# Allegro board RK3588_Template_LP4XD200P232SD10_32R6X52R0_2133MHz_H0R80_V10_20230220.brd (continued)
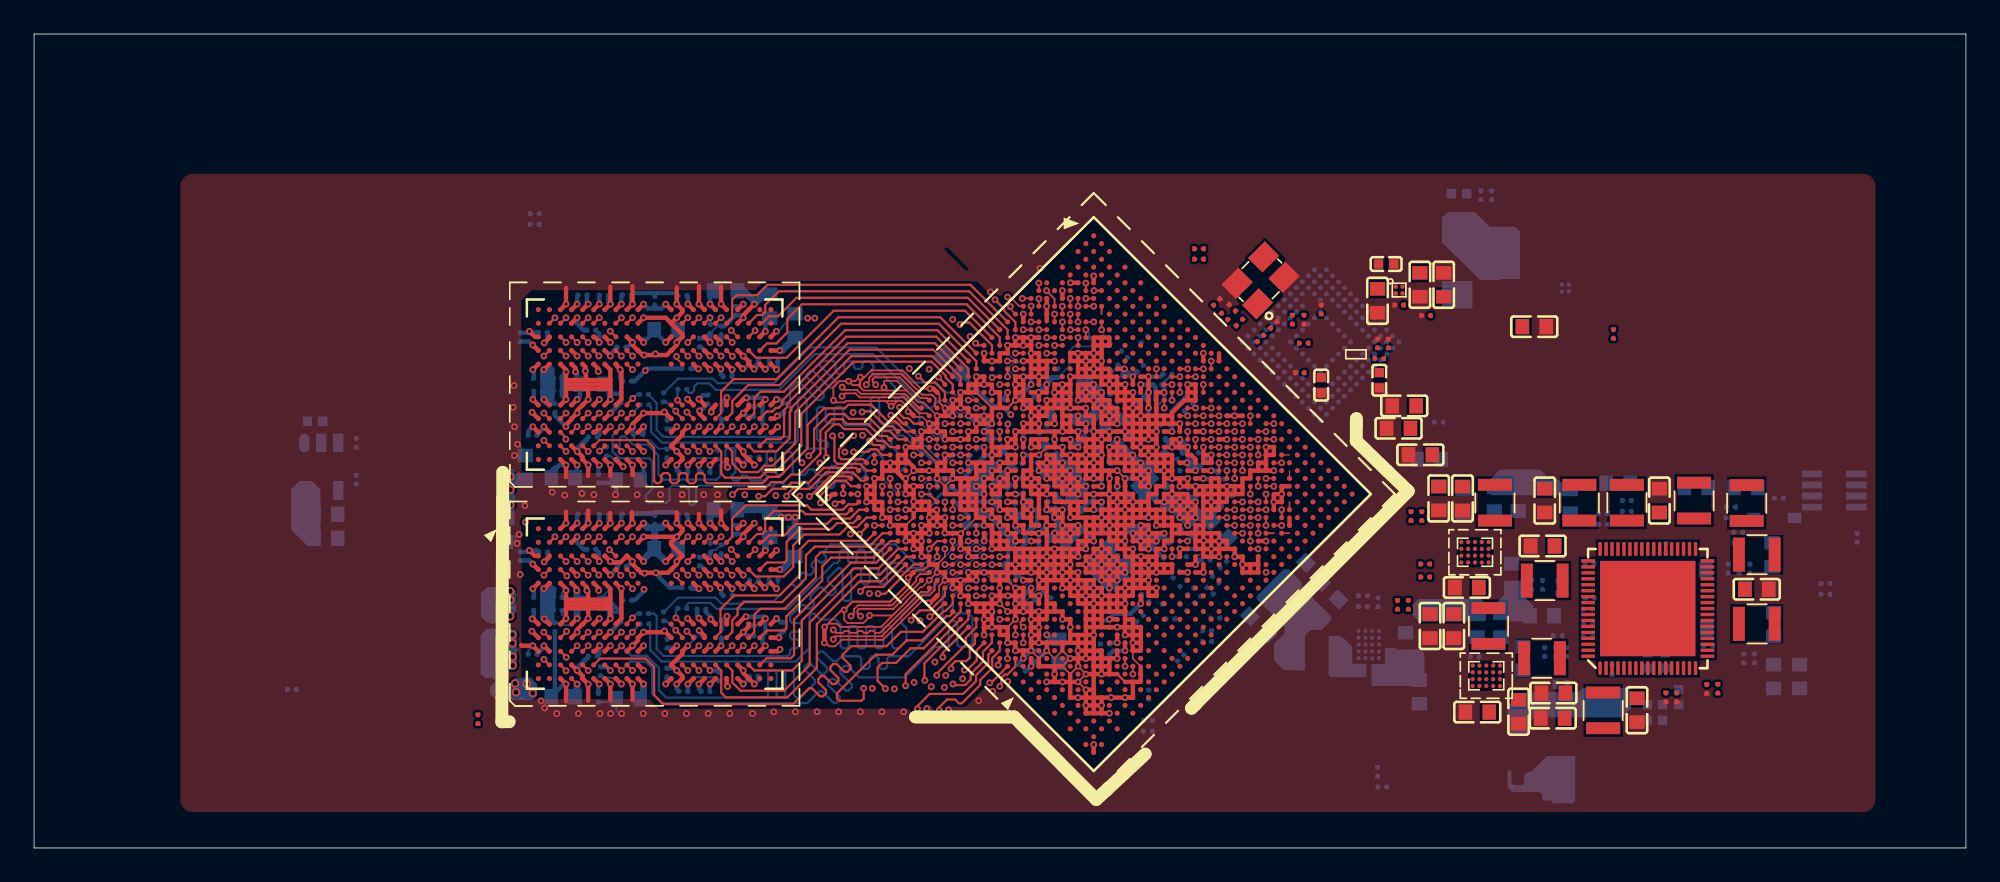
[diagram p0: board, top side]
## Nets (continued)
DDR_CH0_DM0_A: U1000.Y4(DDR_CH0_DM0_A) U3800.C3(DMI0_A)
DDR_CH0_DM0_B: U1000.G4(DDR_CH0_DM0_B) U3800.Y3(DMI0_B)
DDR_CH0_DM1_A: U1000.AB4(DDR_CH0_DM1_A) U3800.C10(DMI1_A)
DDR_CH0_DM1_B: U1000.E4(DDR_CH0_DM1_B) U3800.Y10(DMI1_B)
DDR_CH0_DQ0_A: U1000.U1(DDR_CH0_DQ0_A) U3800.B2(DQ0_A)
DDR_CH0_DQ0_B: U1000.H1(DDR_CH0_DQ0_B) U3800.AA2(DQ0_B)
DDR_CH0_DQ1_A: U1000.T2(DDR_CH0_DQ1_A) U3800.C2(DQ1_A)
DDR_CH0_DQ1_B: U1000.J2(DDR_CH0_DQ1_B) U3800.Y2(DQ1_B)
DDR_CH0_DQ2_A: U1000.T1(DDR_CH0_DQ2_A) U3800.E2(DQ2_A)
DDR_CH0_DQ2_B: U1000.J1(DDR_CH0_DQ2_B) U3800.V2(DQ2_B)
DDR_CH0_DQ3_A: U1000.R2(DDR_CH0_DQ3_A) U3800.F2(DQ3_A)
DDR_CH0_DQ3_B: U1000.K2(DDR_CH0_DQ3_B) U3800.U2(DQ3_B)
DDR_CH0_DQ4_A: U1000.W1(DDR_CH0_DQ4_A) U3800.F4(DQ4_A)
DDR_CH0_DQ4_B: U1000.F1(DDR_CH0_DQ4_B) U3800.U4(DQ4_B)
DDR_CH0_DQ5_A: U1000.V2(DDR_CH0_DQ5_A) U3800.E4(DQ5_A)
DDR_CH0_DQ5_B: U1000.G2(DDR_CH0_DQ5_B) U3800.V4(DQ5_B)
DDR_CH0_DQ6_A: U1000.V1(DDR_CH0_DQ6_A) U3800.C4(DQ6_A)
DDR_CH0_DQ6_B: U1000.G1(DDR_CH0_DQ6_B) U3800.Y4(DQ6_B)
DDR_CH0_DQ7_A: U1000.U2(DDR_CH0_DQ7_A) U3800.B4(DQ7_A)
DDR_CH0_DQ7_B: U1000.H2(DDR_CH0_DQ7_B) U3800.AA4(DQ7_B)
DDR_CH0_DQ8_A: U1000.AB2(DDR_CH0_DQ8_A) U3800.B11(DQ8_A)
DDR_CH0_DQ8_B: U1000.D2(DDR_CH0_DQ8_B) U3800.AA11(DQ8_B)
DDR_CH0_DQ9_A: U1000.AB1(DDR_CH0_DQ9_A) U3800.C11(DQ9_A)
DDR_CH0_DQ9_B: U1000.C1(DDR_CH0_DQ9_B) U3800.Y11(DQ9_B)
DDR_CH0_DQ10_A: U1000.AC1(DDR_CH0_DQ10_A) U3800.E11(DQ10_A)
DDR_CH0_DQ10_B: U1000.C2(DDR_CH0_DQ10_B) U3800.V11(DQ10_B)
DDR_CH0_DQ11_A: U1000.AC2(DDR_CH0_DQ11_A) U3800.F11(DQ11_A)
DDR_CH0_DQ11_B: U1000.B1(DDR_CH0_DQ11_B) U3800.U11(DQ11_B)
DDR_CH0_DQ12_A: U1000.Y1(DDR_CH0_DQ12_A) U3800.F9(DQ12_A)
DDR_CH0_DQ12_B: U1000.F2(DDR_CH0_DQ12_B) U3800.U9(DQ12_B)
DDR_CH0_DQ13_A: U1000.Y2(DDR_CH0_DQ13_A) U3800.E9(DQ13_A)
DDR_CH0_DQ13_B: U1000.E1(DDR_CH0_DQ13_B) U3800.V9(DQ13_B)
DDR_CH0_DQ14_A: U1000.AA1(DDR_CH0_DQ14_A) U3800.C9(DQ14_A)
DDR_CH0_DQ14_B: U1000.E2(DDR_CH0_DQ14_B) U3800.Y9(DQ14_B)
DDR_CH0_DQ15_A: U1000.AA2(DDR_CH0_DQ15_A) U3800.B9(DQ15_A)
DDR_CH0_DQ15_B: U1000.D1(DDR_CH0_DQ15_B) U3800.AA9(DQ15_B)
DDR_CH0_DQS0N_A: U1000.U4(DDR_CH0_DQS0N_A) U3800.E3(DQS0_C_A)
DDR_CH0_DQS0N_B: U1000.J7(DDR_CH0_DQS0N_B) U3800.V3(DQS0_C_B)
DDR_CH0_DQS0P_A: U1000.U5(DDR_CH0_DQS0P_A) U3800.D3(DQS0_T_A)
DDR_CH0_DQS0P_B: U1000.J8(DDR_CH0_DQS0P_B) U3800.W3(DQS0_T_B)
DDR_CH0_DQS1N_A: U1000.AA4(DDR_CH0_DQS1N_A) U3800.E10(DQS1_C_A)
DDR_CH0_DQS1N_B: U1000.F4(DDR_CH0_DQS1N_B) U3800.V10(DQS1_C_B)
DDR_CH0_DQS1P_A: U1000.AA5(DDR_CH0_DQS1P_A) U3800.D10(DQS1_T_A)
DDR_CH0_DQS1P_B: U1000.F5(DDR_CH0_DQS1P_B) U3800.W10(DQS1_T_B)
DDR_CH0_LP4/4X_CKE0/LP5_CS0_A: R3801.1 U1000.P7(DDR_CH0_LP4/4X_CKE0/LP5_CS0_A)
DDR_CH0_LP4/4X_CKE0/LP5_CS0_B: R3804.1 U1000.L5(DDR_CH0_LP4/4X_CKE0/LP5_CS0_B)
DDR_CH0_LP4/4X_CKE0_A: R3801.2 U3800.J4(CKE0_A)
DDR_CH0_LP4/4X_CKE0_B: R3804.2 U3800.P4(CKE0_B)
DDR_CH0_LP4/4X_CKE1/LP5_CS1_A: R3802.1 U1000.N7(DDR_CH0_LP4/4X_CKE1/LP5_CS1_A)
DDR_CH0_LP4/4X_CKE1/LP5_CS1_B: R3805.1 U1000.L4(DDR_CH0_LP4/4X_CKE1/LP5_CS1_B)
DDR_CH0_LP4/4X_CKE1_A: R3802.2 U3800.J5(CKE1_A)
DDR_CH0_LP4/4X_CKE1_B: R3805.2 U3800.P5(CKE1_B)
DDR_CH0_LP4/4X_CS0_A: U1000.R6(DDR_CH0_LP4/4X_CS0_A) U3800.H4(CS0_A)
DDR_CH0_LP4/4X_CS0_B: U1000.L7(DDR_CH0_LP4/4X_CS0_B) U3800.R4(CS0_B)
DDR_CH0_LP4/4X_CS1_A: U1000.R7(DDR_CH0_LP4/4X_CS1_A) U3800.H3(CS1_A)
DDR_CH0_LP4/4X_CS1_B: U1000.L8(DDR_CH0_LP4/4X_CS1_B) U3800.R3(CS1_B)
DDR_CH1_A0_C: U1000.G12(DDR_CH1_A0_C) U3801.H2(CA0_A)
DDR_CH1_A0_D: U1000.H15(DDR_CH1_A0_D) U3801.R2(CA0_B)
DDR_CH1_A1_C: U1000.F12(DDR_CH1_A1_C) U3801.J2(CA1_A)
DDR_CH1_A1_D: U1000.G14(DDR_CH1_A1_D) U3801.P2(CA1_B)
DDR_CH1_A2_C: U1000.E13(DDR_CH1_A2_C) U3801.H9(CA2_A)
DDR_CH1_A2_D: U1000.G13(DDR_CH1_A2_D) U3801.R9(CA2_B)
DDR_CH1_A3_C: U1000.D13(DDR_CH1_A3_C) U3801.H10(CA3_A)
DDR_CH1_A3_D: U1000.E14(DDR_CH1_A3_D) U3801.R10(CA3_B)
DDR_CH1_A4_C: U1000.A10(DDR_CH1_A4_C) U3801.H11(CA4_A)
DDR_CH1_A4_D: U1000.A15(DDR_CH1_A4_D) U3801.R11(CA4_B)
DDR_CH1_A5_C: U1000.B11(DDR_CH1_A5_C) U3801.J11(CA5_A)
DDR_CH1_A5_D: U1000.B14(DDR_CH1_A5_D) U3801.P11(CA5_B)
DDR_CH1_CLKN_C: U1000.A12(DDR_CH1_CKB_C) U3801.J9(CK_C_A)
DDR_CH1_CLKN_D: U1000.A13(DDR_CH1_CKB_D) U3801.P9(CK_C_B)
DDR_CH1_CLKP_C: U1000.B12(DDR_CH1_CK_C) U3801.J8(CK_T_A)
DDR_CH1_CLKP_D: U1000.B13(DDR_CH1_CK_D) U3801.P8(CK_T_B)
DDR_CH1_DM0_C: U1000.F8(DDR_CH1_DM0_C) U3801.C3(DMI0_A)
DDR_CH1_DM0_D: U1000.D20(DDR_CH1_DM0_D) U3801.Y3(DMI0_B)
DDR_CH1_DM1_C: U1000.D4(DDR_CH1_DM1_C) U3801.C10(DMI1_A)
DDR_CH1_DM1_D: U1000.D22(DDR_CH1_DM1_D) U3801.Y10(DMI1_B)
DDR_CH1_DQ0_C: U1000.A8(DDR_CH1_DQ0_C) U3801.B2(DQ0_A)
DDR_CH1_DQ0_D: U1000.A17(DDR_CH1_DQ0_D) U3801.AA2(DQ0_B)
DDR_CH1_DQ1_C: U1000.B9(DDR_CH1_DQ1_C) U3801.C2(DQ1_A)
DDR_CH1_DQ1_D: U1000.B16(DDR_CH1_DQ1_D) U3801.Y2(DQ1_B)
DDR_CH1_DQ2_C: U1000.A9(DDR_CH1_DQ2_C) U3801.E2(DQ2_A)
DDR_CH1_DQ2_D: U1000.A16(DDR_CH1_DQ2_D) U3801.V2(DQ2_B)
DDR_CH1_DQ3_C: U1000.B10(DDR_CH1_DQ3_C) U3801.F2(DQ3_A)
DDR_CH1_DQ3_D: U1000.B15(DDR_CH1_DQ3_D) U3801.U2(DQ3_B)
DDR_CH1_DQ4_C: U1000.A6(DDR_CH1_DQ4_C) U3801.F4(DQ4_A)
DDR_CH1_DQ4_D: U1000.A19(DDR_CH1_DQ4_D) U3801.U4(DQ4_B)
DDR_CH1_DQ5_C: U1000.B7(DDR_CH1_DQ5_C) U3801.E4(DQ5_A)
DDR_CH1_DQ5_D: U1000.B18(DDR_CH1_DQ5_D) U3801.V4(DQ5_B)
DDR_CH1_DQ6_C: U1000.A7(DDR_CH1_DQ6_C) U3801.C4(DQ6_A)
DDR_CH1_DQ6_D: U1000.A18(DDR_CH1_DQ6_D) U3801.Y4(DQ6_B)
DDR_CH1_DQ7_C: U1000.B8(DDR_CH1_DQ7_C) U3801.B4(DQ7_A)
DDR_CH1_DQ7_D: U1000.B17(DDR_CH1_DQ7_D) U3801.AA4(DQ7_B)
DDR_CH1_DQ8_C: U1000.A3(DDR_CH1_DQ8_C) U3801.B11(DQ8_A)
DDR_CH1_DQ8_D: U1000.A22(DDR_CH1_DQ8_D) U3801.AA11(DQ8_B)
DDR_CH1_DQ9_C: U1000.B3(DDR_CH1_DQ9_C) U3801.C11(DQ9_A)
DDR_CH1_DQ9_D: U1000.B22(DDR_CH1_DQ9_D) U3801.Y11(DQ9_B)
DDR_CH1_DQ10_C: U1000.A2(DDR_CH1_DQ10_C) U3801.E11(DQ10_A)
DDR_CH1_DQ10_D: U1000.A23(DDR_CH1_DQ10_D) U3801.V11(DQ10_B)
DDR_CH1_DQ11_C: U1000.B2(DDR_CH1_DQ11_C) U3801.F11(DQ11_A)
DDR_CH1_DQ11_D: U1000.B23(DDR_CH1_DQ11_D) U3801.U11(DQ11_B)
DDR_CH1_DQ12_C: U1000.A5(DDR_CH1_DQ12_C) U3801.F9(DQ12_A)
DDR_CH1_DQ12_D: U1000.A20(DDR_CH1_DQ12_D) U3801.U9(DQ12_B)
DDR_CH1_DQ13_C: U1000.B5(DDR_CH1_DQ13_C) U3801.E9(DQ13_A)
DDR_CH1_DQ13_D: U1000.B20(DDR_CH1_DQ13_D) U3801.V9(DQ13_B)
DDR_CH1_DQ14_C: U1000.A4(DDR_CH1_DQ14_C) U3801.C9(DQ14_A)
DDR_CH1_DQ14_D: U1000.A21(DDR_CH1_DQ14_D) U3801.Y9(DQ14_B)
DDR_CH1_DQ15_C: U1000.B4(DDR_CH1_DQ15_C) U3801.B9(DQ15_A)
DDR_CH1_DQ15_D: U1000.B21(DDR_CH1_DQ15_D) U3801.AA9(DQ15_B)
DDR_CH1_DQS0N_C: U1000.D9(DDR_CH1_DQS0N_C) U3801.E3(DQS0_C_A)
DDR_CH1_DQS0N_D: U1000.G16(DDR_CH1_DQS0N_D) U3801.V3(DQS0_C_B)
DDR_CH1_DQS0P_C: U1000.E9(DDR_CH1_DQS0P_C) U3801.D3(DQS0_T_A)
DDR_CH1_DQS0P_D: U1000.H16(DDR_CH1_DQS0P_D) U3801.W3(DQS0_T_B)
DDR_CH1_DQS1N_C: U1000.D5(DDR_CH1_DQS1N_C) U3801.E10(DQS1_C_A)
DDR_CH1_DQS1N_D: U1000.E21(DDR_CH1_DQS1N_D) U3801.V10(DQS1_C_B)
DDR_CH1_DQS1P_C: U1000.E5(DDR_CH1_DQS1P_C) U3801.D10(DQS1_T_A)
DDR_CH1_DQS1P_D: U1000.D21(DDR_CH1_DQS1P_D) U3801.W10(DQS1_T_B)
DDR_CH1_LP4/4X_CKE0/LP5_CS0_C: R3812.1 U1000.D11(DDR_CH1_LP4/4X_CKE0/LP5_CS0_C)
DDR_CH1_LP4/4X_CKE0/LP5_CS0_D: R3814.1 U1000.D16(DDR_CH1_LP4/4X_CKE0/LP5_CS0_D)
DDR_CH1_LP4/4X_CKE0_C: R3812.2 U3801.J4(CKE0_A)
DDR_CH1_LP4/4X_CKE0_D: R3814.2 U3801.P4(CKE0_B)
DDR_CH1_LP4/4X_CKE1/LP5_CS1_C: R3813.1 U1000.E11(DDR_CH1_LP4/4X_CKE1/LP5_CS1_C)
DDR_CH1_LP4/4X_CKE1/LP5_CS1_D: R3815.1 U1000.E16(DDR_CH1_LP4/4X_CKE1/LP5_CS1_D)
DDR_CH1_LP4/4X_CKE1_C: R3813.2 U3801.J5(CKE1_A)
DDR_CH1_LP4/4X_CKE1_D: R3815.2 U3801.P5(CKE1_B)
DDR_CH1_LP4/4X_CS0_C: U1000.G11(DDR_CH1_LP4/4X_CS0_C) U3801.H4(CS0_A)
DDR_CH1_LP4/4X_CS0_D: U1000.E19(DDR_CH1_LP4/4X_CS0_D) U3801.R4(CS0_B)
DDR_CH1_LP4/4X_CS1_C: U1000.H11(DDR_CH1_LP4/4X_CS1_C) U3801.H3(CS1_A)
DDR_CH1_LP4/4X_CS1_D: U1000.D19(DDR_CH1_LP4/4X_CS1_D) U3801.R3(CS1_B)
DDR_RESET: C3844.1 C3888.1 U1000.T4(DDR_CH0_RESET_A) U3800.T11(RESET_N) U3801.T11(RESET_N)
EMMC_CLKOUT: R3984.1 U1000.V34(GPIO2_A1_D)
EMMC_CMD: R3917.2 U1000.W34(GPIO2_A0_U) U3815.M5(CMD)
EMMC_D0: R3918.2 U1000.Y33(GPIO2_D0_U) U3815.A3(DATA0)
EMMC_D1: U1000.W33(GPIO2_D1_U) U3815.A4(DATA1)
EMMC_D2: U1000.V32(GPIO2_D2_U) U3815.A5(DATA2)
EMMC_D3: U1000.AA33(GPIO2_D3_U) U3815.B2(DATA3)
EMMC_D4: U1000.Y32(GPIO2_D4_U) U3815.B3(DATA4)
EMMC_D5: U1000.AA32(GPIO2_D5_U) U3815.B4(DATA5)
EMMC_D6: U1000.W32(GPIO2_D6_U) U3815.B5(DATA6)
EMMC_D7: U1000.V33(GPIO2_D7_U) U3815.B6(DATA7)
EMMC_DATA_STROBE: R3920.1 U1000.Y34(GPIO2_A2_D)
EMMC_RSTN: U1000.AA34(GPIO2_A3_D) U3815.K5(RST_N)
EXT5V_PWREN_H: R3905.1 U1000.AK26(GPIO4_B0_D) U3813.4(EN)
EXT_FUNC_CTRL1: U1000.AL26(GPIO4_B4_U)
EXT_FUNC_CTRL2: U1000.AJ26(GPIO4_B5_D)
EXT_FUNC_CTRL3: U1000.AJ27(GPIO4_B6_D)
EXT_FUNC_IO1: U1000.AJ28(GPIO4_B7_U)
EXT_FUNC_IO2: U1000.AJ25(GPIO4_C0_U)
FAN_FG: U1000.AM25(GPIO4_B3_U)
FAN_N: U1000.AL24(GPIO4_B1_U)
GAUGE_ALRT: U1000.AE31(GPIO4_C2_D)
GSENSOR_INT_L: U1000.AF33(GPIO4_C6_D)
HALL_OUT1: U1000.AC34(GPIO2_B2_U)
HALL_OUT2: U1000.AE33(GPIO2_B3_D)
HOST_WAKE_BT_H: U1000.P30(GPIO0_C5_U)
I2C0_SCL_M2: R3826.2 U1000.W30(GPIO0_D1_U) U3808.A3(SCL) U3809.A3(SCL)
I2C0_SDA_M2: R3825.2 U1000.W29(GPIO0_D2_U) U3808.B1(SDA) U3809.B1(SDA)
I2C1_SCL_M2: R3828.2 U1000.V29(GPIO0_D4_U) U3810.A3(SCL)
I2C1_SDA_M2: R3827.2 U1000.V28(GPIO0_D5_U) U3810.B1(SDA)
I2C2_SCL_M4_MIPI: R3851.2 U1000.A25(GPIO1_A1_D)
I2C2_SDA_M4_MIPI: R3852.2 U1000.A24(GPIO1_A0_D)
I2C3_SCL_M0: R3840.2 U1000.G27(GPIO1_C1_Z)
I2C3_SDA_M0: R3839.2 U1000.G29(GPIO1_C0_Z)
I2C4_SCL_M1: R3848.2 U1000.AB30(GPIO2_B5_U)
I2C4_SDA_M1: R3847.2 U1000.AB31(GPIO2_B4_U)
I2C5_SCL_M0_MIPI: R3849.2 U1000.AJ24(GPIO3_C7_U)
I2C5_SDA_M0_MIPI: R3850.2 U1000.AH24(GPIO3_D0_U)
I2C6_SCL_3V3: U27.2(B1)
I2C6_SCL_M0: U27.7(A1) U1000.W31(GPIO0_D0_D)
I2C6_SDA_3V3: U27.3(B2)
I2C6_SDA_M0: U27.6(A2) U1000.V31(GPIO0_C7_D)
I2C7_SCL_M0: R3842.2 U1000.F26(GPIO1_D0_D)
I2C7_SDA_M0: R3841.2 U1000.F27(GPIO1_D1_D)
I2C8_SCL_M1: R3846.2 U1000.AE32(GPIO2_B0_U)
I2C8_SDA_M1: R3845.2 U1000.AC33(GPIO2_B1_U)
I2S0_LRCK: U1000.D30(GPIO1_C5_D)
I2S0_MCLK: U1000.F30(GPIO1_C2_D)
I2S0_SCLK: U1000.E31(GPIO1_C3_D)
I2S0_SDI0: U1000.D28(GPIO1_D4_D)
I2S0_SDO0: U1000.E29(GPIO1_C7_D)
I2S2_LRCK_M0_BT: U1000.AE34(GPIO2_C0_D)
I2S2_SCLK_M0_BT: U1000.AD34(GPIO2_B7_D)
I2S2_SDI_M0_BT: U1000.AD30(GPIO2_C3_D)
I2S2_SDO_M0_BT: U1000.AF34(GPIO4_C3_D)
IMU_CLK: U1000.E28(GPIO1_D3_D)
IPD_OUT_A: R3988.1 U1000.AK16(SARADC_IN2)
LCD_BL_PWM1: U1000.R30(GPIO0_C4_D)
LCD_BL_PWM2: U1000.T28(GPIO0_B7_D)
LCD_ID1: U1000.AH25(GPIO3_C5_U)
LCD_ID2: U1000.AG26(GPIO3_C6_U)
MIPI_CAM0_PWREN_H: U1000.D25(GPIO1_B1_D)
MIPI_CAM1/2_RESET_L: U1000.A26(GPIO1_A2_D)
MIPI_CAM1_CLKOUT: U1000.E26(GPIO1_B6_U)
MIPI_CAM1_PDN_L: U1000.C25(GPIO1_A7_U)
MIPI_CAM1_PWREN_H: U1000.D26(GPIO1_B2_D)
MIPI_CAM2_CLKOUT: U1000.E27(GPIO1_B7_U)
MIPI_CAM2_PDN_L: U1000.C27(GPIO1_B0_U)
MIPI_CAM3/4_RESET_L: U1000.AD33(GPIO2_B6_D)
MIPI_CAM3_CLKOUT: U1000.F24(GPIO1_D6_U)
MIPI_CAM4_CLKOUT: U1000.F25(GPIO1_D7_U)
MIPI_CSI0_RX_CLK0N: U1000.AJ34(MIPI_CSI0_CLK0N)
MIPI_CSI0_RX_CLK0P: U1000.AJ33(MIPI_CSI0_CLK0P)
MIPI_CSI0_RX_CLK1N: U1000.AM34(MIPI_CSI0_CLK1N)
MIPI_CSI0_RX_CLK1P: U1000.AM33(MIPI_CSI0_CLK1P)
MIPI_CSI0_RX_D0N: U1000.AG34(MIPI_CSI0_D0N)
MIPI_CSI0_RX_D0P: U1000.AG33(MIPI_CSI0_D0P)
MIPI_CSI0_RX_D2N: U1000.AK34(MIPI_CSI0_D2N)
MIPI_CSI0_RX_D2P: U1000.AK33(MIPI_CSI0_D2P)
MIPI_CSI1_RX_CLK0N: U1000.AJ32(MIPI_CSI1_CLK0N)
MIPI_CSI1_RX_CLK0P: U1000.AJ31(MIPI_CSI1_CLK0P)
MIPI_CSI1_RX_CLK1N: U1000.AM32(MIPI_CSI1_CLK1N)
MIPI_CSI1_RX_CLK1P: U1000.AM31(MIPI_CSI1_CLK1P)
MIPI_CSI1_RX_D0N: U1000.AG32(MIPI_CSI1_D0N)
MIPI_CSI1_RX_D0P: U1000.AG31(MIPI_CSI1_D0P)
MIPI_CSI1_RX_D2N: U1000.AK32(MIPI_CSI1_D2N)
MIPI_CSI1_RX_D2P: U1000.AK31(MIPI_CSI1_D2P)
MIPI_DPHY0_RX_CLKN: U1000.AP31(MIPI_DPHY0_RX_CLKN/MIPI_CPHY0_RX_TRIO1_B)
MIPI_DPHY0_RX_CLKP: U1000.AN32(MIPI_DPHY0_RX_CLKP/MIPI_CPHY0_RX_TRIO1_C)
MIPI_DPHY0_RX_D0N: U1000.AP29(MIPI_DPHY0_RX_D0N/MIPI_CPHY0_RX_TRIO0_A)
MIPI_DPHY0_RX_D0P: U1000.AN29(MIPI_DPHY0_RX_D0P/MIPI_CPHY0_RX_TRIO0_B)
MIPI_DPHY0_RX_D1N: U1000.AP30(MIPI_DPHY0_RX_D1N/MIPI_CPHY0_RX_TRIO0_C)
MIPI_DPHY0_RX_D1P: U1000.AN30(MIPI_DPHY0_RX_D1P/MIPI_CPHY0_RX_TRIO1_A)
MIPI_DPHY0_RX_D2N: U1000.AP32(MIPI_DPHY0_RX_D2N/MIPI_CPHY0_RX_TRIO2_A)
MIPI_DPHY0_RX_D2P: U1000.AN33(MIPI_DPHY0_RX_D2P/MIPI_CPHY0_RX_TRIO2_B)
MIPI_DPHY0_RX_D3N: U1000.AP33(MIPI_DPHY0_RX_D3N/MIPI_CPHY0_RX_TRIO2_C)
MIPI_DPHY0_RX_D3P: U1000.AN34(MIPI_DPHY0_RX_D3P                   /NO_USE_AN34)
MIPI_DPHY0_TX_CLKN: U1000.AP26(MIPI_DPHY0_TX_CLKN/MIPI_CPHY0_TX_TRIO1_B)
MIPI_DPHY0_TX_CLKP: U1000.AN26(MIPI_DPHY0_TX_CLKP/MIPI_CPHY0_TX_TRIO1_C)
MIPI_DPHY0_TX_D0N: U1000.AP24(MIPI_DPHY0_TX_D0N/MIPI_CPHY0_TX_TRIO0_A)
MIPI_DPHY0_TX_D0P: U1000.AN24(MIPI_DPHY0_TX_D0P/MIPI_CPHY0_TX_TRIO0_B)
MIPI_DPHY0_TX_D1N: U1000.AP25(MIPI_DPHY0_TX_D1N/MIPI_CPHY0_TX_TRIO0_C)
MIPI_DPHY0_TX_D1P: U1000.AN25(MIPI_DPHY0_TX_D1P/MIPI_CPHY0_TX_TRIO1_A)
MIPI_DPHY0_TX_D2N: U1000.AP27(MIPI_DPHY0_TX_D2N/MIPI_CPHY0_TX_TRIO2_A)
MIPI_DPHY0_TX_D2P: U1000.AN27(MIPI_DPHY0_TX_D2P/MIPI_CPHY0_TX_TRIO2_B)
MIPI_DPHY0_TX_D3N: U1000.AP28(MIPI_DPHY0_TX_D3N/MIPI_CPHY0_TX_TRIO2_C)
MIPI_DPHY0_TX_D3P: U1000.AN28(MIPI_DPHY0_TX_D3P                   /NO_USE_AN28)
MIPI_DPHY1_RX_CLKN: U1000.AL20(MIPI_DPHY1_RX_CLKN/MIPI_CPHY1_RX_TRIO1_B)
MIPI_DPHY1_RX_CLKP: U1000.AK20(MIPI_DPHY1_RX_CLKP/MIPI_CPHY1_RX_TRIO1_C)
MIPI_DPHY1_RX_D0N: U1000.AL18(MIPI_DPHY1_RX_D0N/MIPI_CPHY1_RX_TRIO0_A)
MIPI_DPHY1_RX_D0P: U1000.AK18(MIPI_DPHY1_RX_D0P/MIPI_CPHY1_RX_TRIO0_B)
MIPI_DPHY1_RX_D1N: U1000.AL19(MIPI_DPHY1_RX_D1N/MIPI_CPHY1_RX_TRIO0_C)
MIPI_DPHY1_RX_D1P: U1000.AK19(MIPI_DPHY1_RX_D1P/MIPI_CPHY1_RX_TRIO1_A)
MIPI_DPHY1_RX_D2N: U1000.AL21(MIPI_DPHY1_RX_D2N/MIPI_CPHY1_RX_TRIO2_A)
MIPI_DPHY1_RX_D2P: U1000.AK21(MIPI_DPHY1_RX_D2P/MIPI_CPHY1_RX_TRIO2_B)
MIPI_DPHY1_RX_D3N: U1000.AL22(MIPI_DPHY1_RX_D3N/MIPI_CPHY1_RX_TRIO2_C)
MIPI_DPHY1_RX_D3P: U1000.AK22(MIPI_DPHY1_RX_D3P                   /NO_USE_AK22)
MIPI_DPHY1_TX_CLKN: U1000.AP20(MIPI_DPHY1_TX_CLKN/MIPI_CPHY1_TX_TRIO1_B)
MIPI_DPHY1_TX_CLKP: U1000.AN20(MIPI_DPHY1_TX_CLKP/MIPI_CPHY1_TX_TRIO1_C)
MIPI_DPHY1_TX_D0N: U1000.AP18(MIPI_DPHY1_TX_D0N/MIPI_CPHY1_TX_TRIO0_A)
MIPI_DPHY1_TX_D0P: U1000.AN18(MIPI_DPHY1_TX_D0P/MIPI_CPHY1_TX_TRIO0_B)
MIPI_DPHY1_TX_D1N: U1000.AP19(MIPI_DPHY1_TX_D1N/MIPI_CPHY1_TX_TRIO0_C)
MIPI_DPHY1_TX_D1P: U1000.AN19(MIPI_DPHY1_TX_D1P/MIPI_CPHY1_TX_TRIO1_A)
MIPI_DPHY1_TX_D2N: U1000.AP21(MIPI_DPHY1_TX_D2N/MIPI_CPHY1_TX_TRIO2_A)
MIPI_DPHY1_TX_D2P: U1000.AN21(MIPI_DPHY1_TX_D2P/MIPI_CPHY1_TX_TRIO2_B)
MIPI_DPHY1_TX_D3N: U1000.AP22(MIPI_DPHY1_TX_D3N/MIPI_CPHY1_TX_TRIO2_C)
MIPI_DPHY1_TX_D3P: U1000.AN22(MIPI_DPHY1_TX_D3P                   /NO_USE_AN22)
MIPI_RST1_L: U1000.Y29(GPIO3_C0_D)
MIPI_RST2_L: U1000.Y27(GPIO3_C1_D)
MIPI_TE1: U1000.Y31(GPIO3_C2_D)
MIPI_TE2: U1000.Y30(GPIO3_C3_D)
NPU_VSEL: U1000.U32(GPIO0_C1_D) U3810.A1(VSEL)
NRF52832_GPIO6: U1000.B25(GPIO1_A4_D)
NRF52832_GPIO10: U1000.AF1(GPIO4_D3_U)
NRF52832_GPIO11: U1000.B26(GPIO1_A5_D)
OTG0_REXT: R3833.1 U1000.AP12(TYPEC0_USB20_OTG0_REXT)
OTG1_REXT: R3835.1 U1000.AP7(TYPEC1_USB20_OTG1_REXT)
PCIE20_1_REFCLKN: U1000.H33(PCIE20_1_REFCLKN)
PCIE20_1_REFCLKP: U1000.H32(PCIE20_1_REFCLKP)
PCIE20_1_RXN/SATA30_1_RXN: U1000.J34(PCIE20_1_RXN/SATA30_1_RXN)
PCIE20_1_RXP/SATA30_1_RXP: U1000.J33(PCIE20_1_RXP/SATA30_1_RXP)
PCIE20_1_TXN/SATA30_1_TXN: U1000.K34(PCIE20_1_TXN/SATA30_1_TXN)
PCIE20_1_TXP/SATA30_1_TXP: U1000.K33(PCIE20_1_TXP/SATA30_1_TXP)
PCIEX1_0_CLKREQN_M2_L: U1000.E25(GPIO1_B5_U)
PCIEX1_0_PERSTN_M2_L: U1000.E24(GPIO1_B4_U)
PCIEX1_0_WAKEN_M2_L: U1000.D27(GPIO1_B3_D)
PDM0_CLK0_M0: U1000.D29(GPIO1_C6_D)
PDM0_CLK1_M0: U1000.E30(GPIO1_C4_D)
PDM0_SDI0_M0: U1000.G26(GPIO1_D5_D)
PDM0_SDI2_M0: U1000.F28(GPIO1_D2_D)
PMIC_FB6: C4050.2 R3881.2 R3883.1 U3807.31(FB6)
PMIC_FB9: C4061.2 R3884.2 R3886.1 U3807.66(FB9)
PMIC_INT_L: R3890.2 U1000.M30(GPIO0_A7_U) U3807.19(INT)
PMIC_PWR_CTRL1: U1000.R32(GPIO0_A2_D) U3807.62(PWRCTRL1)
PMIC_PWR_CTRL2: U1000.T30(GPIO0_C3_D) U3807.61(PWRCTRL2)
PMIC_PWR_CTRL3: U1000.T32(GPIO0_C2_D) U3807.16((PWRCTRL3)SO)
PMIC_SPI_CLK: U1000.N31(GPIO0_A5_D) U3807.17((SCL)CLK)
PMIC_SPI_CS: R3888.1 U1000.K30(GPIO0_B1_Z) U3807.18((IIC/S\P\I\)CS)
PMIC_SPI_MOSI: U1000.L29(GPIO0_B3_Z) U1000.N30(GPIO0_A6_Z) U3807.15((SDA)MOSI)
PMIC_SW1: L4.1 U3807.50(SW1_1) U3807.51(SW1_2)
PMIC_SW2: L6.1 U3807.35(SW2_1) U3807.36(SW2_2)
PMIC_SW3: L8.1 U3807.55(SW3)
PMIC_SW4: U3807.23(SW4)
PMIC_SW5: L3.2 U3807.45(SW5)
PMIC_SW6: L5.2 U3807.29(SW6)
PMIC_SW7: L12.1 U3807.42(SW7)
PMIC_SW8: L9.2 U3807.6(SW8)
PMIC_SW9: L7.2 U3807.68(SW9)
PMIC_SW10: L11.2 U3807.26(SW10)
PMIC_VDC: C4094.1 D1.2(CATHODE) R3892.2 R3893.2 U3807.32(VDC)
PRO_INT_N: U1000.AC32(GPIO2_A6_U)
PWM1_M1: U1000.AK25(GPIO4_B2_U)
PWRON_L: C4097.1 U3807.4(PWRON)
RESET_L: C3958.1 C4095.1 R3891.2 U1000.M31(NPOR_U) U1000.P32(GPIO0_A1_Z) U3807.40(RESETB)
RETURN_C: U1000.A27(GPIO1_A3_D)
RGB_LED_B: U1000.AK30(GPIO4_A0_D)
RGB_LED_G: U1000.AL30(GPIO4_A1_D)
RGB_LED_R: U1000.AM29(GPIO4_A2_D)
RTC_INT_L: U1000.L30(GPIO0_B0_Z)
SARADC_VIN1_KEY/RECOVERY: C3981.1 R3836.1 U1000.AL16(SARADC_IN1)
SARADC_VIN4_BATT_TC_L: C3983.1 R3837.2 U1000.AM17(SARADC_IN4)
SID_LD: U1000.AA28(GPIO3_B7_D)
SID_LU: U1000.AE29(GPIO3_B6_D)
SID_RD: U1000.AH29(GPIO3_B1_D)
SID_RU: U1000.AG28(GPIO3_B0_U)
SPI0_CLK_M3: U1000.AG24(GPIO3_D3_D)
SPI0_CS0_M3: U1000.AA27(GPIO3_D4_D)
SPI0_MISO_M3: U1000.AG23(GPIO3_D1_D)
SPI0_MOSI_M3: U1000.AG25(GPIO3_D2_D)
SPI4_CLK_M1: U1000.AD27(GPIO3_A2_U)
SPI4_CS0_M1: U1000.AE27(GPIO3_A3_U)
SPI4_MISO_M1: U1000.AA29(GPIO3_A0_U)
SPI4_MOSI_M1: U1000.AA30(GPIO3_A1_U)
SPK_CTL_H: U1000.AD32(GPIO2_C1_D)
TYPEC0_OTG_DM: U1000.AM12(TYPEC0_USB20_OTG_DM)
TYPEC0_OTG_DP: U1000.AL12(TYPEC0_USB20_OTG_DP)
TYPEC0_REXT: R3834.1 U1000.AH16(TYPEC0_DP0_REXT)
TYPEC0_SBU1: U1000.AL15(TYPEC0_SBU1/DP0_AUXP)
TYPEC0_SBU1_DC: U1000.AL27(GPIO4_A6_D)
TYPEC0_SBU2: U1000.AM15(TYPEC0_SBU2/DP0_AUXN)
TYPEC0_SBU2_DC: U1000.AM27(GPIO4_A7_D)
TYPEC0_SSRX1N: U1000.AP13(TYPEC0_SSRX1N/DP0_TX0N)
TYPEC0_SSRX1P: U1000.AN13(TYPEC0_SSRX1P/DP0_TX0P)
TYPEC0_SSRX2N: U1000.AP15(TYPEC0_SSRX2N/DP0_TX2N)
TYPEC0_SSRX2P: U1000.AN15(TYPEC0_SSRX2P/DP0_TX2P)
TYPEC0_SSTX1N: U1000.AN14(TYPEC0_SSTX1N/DP0_TX1N)
TYPEC0_SSTX1P: U1000.AP14(TYPEC0_SSTX1P/DP0_TX1P)
TYPEC0_SSTX2N: U1000.AN16(TYPEC0_SSTX2N/DP0_TX3N)
TYPEC0_SSTX2P: U1000.AP16(TYPEC0_SSTX2P/DP0_TX3P)
TYPEC0_USB20_VBUSDET: U1000.AM14(TYPEC0_USB20_VBUSDET)
TYPEC1_OTG_DM: U1000.AL9(TYPEC1_USB20_OTG_DM)
TYPEC1_OTG_DP: U1000.AK9(TYPEC1_USB20_OTG_DP)
TYPEC_CONN_THERMAL: R3987.1 U1000.AL17(SARADC_IN6)
UART0_RX_M2: U1000.AL28(GPIO4_A4_D)
UART0_TX_M2: U1000.AL29(GPIO4_A3_D)
UART2_RX_M0_DEBUG: U1000.R29(GPIO0_B6_D)
UART2_TX_M0_DEBUG: U1000.P29(GPIO0_B5_D)
UART9_CTSN_M0_BT: U1000.AB33(GPIO4_C5_D)
UART9_RTSN_M0_BT: U1000.AB34(GPIO4_C4_D)
UART9_RX_M0_BT: U1000.AC30(GPIO2_C4_D)
UART9_TX_M0_BT: U1000.AD31(GPIO2_C2_D)
VSYNC_SLAVE: U1000.C24(GPIO1_A6_D)
WIFI_REG_ON_H: U1000.T31(GPIO0_C0_D)
WIFI_WAKE_HOST_H: U1000.K29(GPIO0_B2_U)
XIN24M: C3959.1 R3821.2 U1000.R34(XIN_24M) Y1.3(X2)
XOUT24M: R3821.1 R3822.2 U1000.T34(XOUT_24M)
N16895373: C4150.1 U3815.C2(VDDI)
N17758514: L14.1 U3809.D3(SW_1) U3809.D4(SW_2) U3809.E3(SW_3) U3809.E4(SW_4)
N17758921: L13.1 U3808.D3(SW_1) U3808.D4(SW_2) U3808.E3(SW_3) U3808.E4(SW_4)
N17759951: L16.1 U3810.D3(SW_1) U3810.D4(SW_2) U3810.E3(SW_3) U3810.E4(SW_4)
N18110066: C3988.1 U1000.AF20(MIPI_D/C_PHY0_VREG)
N18110122: C3989.1 U1000.AF19(MIPI_D/C_PHY1_VREG)
N19366700: R1202.1 U1000.G8(DDR_CH1_ZQ_C)
N21016906: C3957.1 R3822.1 Y1.1(X1)
N22893911: C4119.1 U3837.A1(VOUT)
N22893917: D2.1(A)
N22893927: C4122.2 R3899.2 R3902.1
N22920530: R3906.1 U3813.3(OCB)
N22937252: C4289.1 R3984.2 U3815.M6(CLK)
N23213062: R1203.1 U1000.F18(DDR_CH1_ZQ_D)
N24141374: R1201.1 U1000.H7(DDR_CH0_ZQ_B)
N24452186: R3920.2 U3815.H5(DATA STROBE)
N63228233: R3817.1 U3801.T2(ODT_CA_B)
N63228239: R3816.2 U3801.G2(ODT_CA_A)
N63228245: R3818.2 U3801.A5(ZQ0)
N63228247: R3819.2 U3801.A8(ZQ1)
N63380732: R3807.1 U3800.T2(ODT_CA_B)
N63380738: R3806.2 U3800.G2(ODT_CA_A)
N63380744: R3809.2 U3800.A5(ZQ0)
N63380746: R3810.2 U3800.A8(ZQ1)
N65887084: R1200.1 U1000.W8(DDR_CH0_ZQ_A)

Pads without a net: U1000 A28 A30 A32 A33 AA9 AB9 AC6 AC7 AC9 AC31 AD4 AD6 AD7 AD9 AE4 AE5 AE8 AF3 AF5 AF6 AF18 AG1 AG2 AG4 AG5 AG9 AG13 AG16 AH2 AH3 AH5 AH6 AH9 AH13 AH31 AH32 AH33 AH34 AJ1 AJ2 AJ4 AJ5 AJ13 AK2 AK3 AK6 AK8 AK15 AK17 AK24 AL1 AL2 AL6 AL7 AL8 AL10 AL14 AL31 AL32 AL33 AL34 AM2 AM3 AM5 AM7 AM10 AN1 AN2 AN3 AN4 AN5 AN6 AN8 AN9 AN10 AN11 AN17 AP2 AP4 AP6 AP8 AP9 AP10 AP11 B28 B29 B30 B31 B32 B34 C19 C29 C31 C33 C34 D7 D10 D14 D17 D32 D33 E7 E10 E17 E33 E34 F32 F33 G9 G18 G23 G24 G30 G31 G33 G34 H4 H5 H9 H18 H23 H24 H29 H30 J30 J31 K4 K5 K7 K27 K28 L32 L33 M7 M27 M28 M33 M34 N33 N34 T5 V6 V7 W4 W5; U3800 A1 A2 A11 A12 AA1 AA12 AB1 AB2 AB11 AB12 B1 B12 G11 K5 K8 N5 N8; U3801 A1 A2 A11 A12 AA1 AA12 AB1 AB2 AB11 AB12 B1 B12 G11 K5 K8 N5 N8; U3807 2 3 38 39 47 48; U3815 A2 A7 A8 A9 A10 A11 A12 A13 A14 B1 B7 B8 B9 B10 B11 B12 B13 B14 C1 C3 C7 C8 C9 C10 C11 C12 C13 C14 D1 D2 D3 D4 D12 D13 D14 E1 E2 E3 E5 E8 E9 E10 E12 E13 E14 F1 F2 F3 F10 F12 F13 F14 G1 G2 G3 G10 G12 G13 G14 H1 H2 H3 H12 H13 H14 J1 J2 J3 J12 J13 J14 K1 K2 K3 K6 K7 K10 K12 K13 K14 L1 L2 L3 L12 L13 L14 M1 M2 M3 M7 M8 M9 M10 M11 M12 M13 M14 N1 N3 N6 N7 N8 N9 N10 N11 N12 N13 N14 P1 P2 P7 P8 P9 P10 P11 P12 P13 P14

## Via types
v1: diameter 0.4, hole 0.2, TOP to BOTTOM, 1018 vias
v2: diameter 0.5, hole 0.3, TOP to BOTTOM, 14 vias

## Routing (per net, layer and track width the routed paths; a pad name or vN(x,y) marks a point on that pad's centre or on a via; arc(x,y) is an arc through that point)
GND: length 1455.9
  TOP w0.089: v1(52.54,24.92) 52.14,25.31 51.69,25.31 51.62,25.38 ; v1(56.68,14.35) v1(57.14,13.89) ; v1(51.3,25.62) 51.27,25.65 51.27,25.89 51.13,26.03 ; v1(64.49,20.32) U1000.Y19 ; U1000.AK10 64.49,11.12 64.95,10.66 ; 52.14,23.48 53,22.62 ; 50.07,26.86 51.2,26.86 ; 50.07,26.86 50.07,26.86 48.69,26.86 48.59,26.96 ; 50.07,26.86 50.06,26.86 v1(49.88,27.04) 49.88,27.39 49.93,27.44 50.62,27.44 51.2,26.86 ; 51.2,26.86 51.89,26.17 52.21,26.17 v1(53,25.38) ; v1(63.57,11.13) 63.57,11.13 63.57,11.59 ; U1000.AF4 59.89,11.13 v1(59.43,11.59) 58.97,11.13 ; v1(54.39,18.46) 54.39,18.49 55.29,19.4 55.29,19.4 ; v1(57.59,27.21) U1000.F19 ; v1(53.46,17.56) 53.46,17.1 U1000.M3 ; v1(52.54,15.72) 52.13,15.31 52.02,15.31 51.68,14.98 ; v1(58.97,25.84) 58.97,25.84 U1000.H19 ; v1(57.6,15.27) 57.14,15.73 ; v1(51.16,21.7) v1(51.62,22.16) ; U1000.U19 v1(62.19,21.7)
  TOP w0.102: 59.89,11.13 60.35,11.59 v1(60.81,11.13) 60.35,10.67 60.81,10.21 v1(61.27,10.67) 61.73,10.21 v1(61.73,10.21) 61.27,9.75 ; v1(48.49,27.65) 48.73,27.65 ; v1(48.49,27.65) 48.43,27.65 48.19,27.41 v1(47.81,27.41) ; v1(48.49,27.65) 48.49,27.4 ; 48.73,27.65 49.13,28.04 50.97,28.04 52.04,26.98 v1(52.58,26.98) ; 48.73,27.65 48.49,27.4 ; v1(53.92,21.7) 53.46,21.25 53.45,21.25 v1(53,21.7) ; 51.62,19.4 51.16,18.94 ; v1(58.51,11.59) 58.97,11.13 ; U1000.P1 53.12,14.93 53.12,15.39 v1(53.46,15.72) ; 50.38,13.65 51.22,14.49 51.22,14.52 51.49,14.78 51.68,14.98 ; 50.38,13.65 v1(49.04,13.65) 49.04,13.58 48.67,13.21 47.74,13.21 47.55,13.4 v1(47.55,13.98) 47.4,13.98 46.6,13.17 ; 50.38,13.65 49.72,12.99 47.31,12.99 47.13,13.17 46.6,13.17 ; 59.43,23.54 59.43,23.54 v1(58.97,23.08) ; 46.6,13.17 v1(46.4,12.98) ; 52.54,16.64 52.23,16.34 51.77,16.34 51.62,16.18 ; U1000.A14 53.14,26.61 53.14,26.15 v1(53.46,25.84) ; 48.37,27.18 48.03,27.18 v1(47.81,27.41) ; 48.37,27.18 48.49,27.3 ; 48.37,27.18 48.49,27.07 ; v1(61.73,9.29) 61.27,9.75 ; 61.27,9.75 v1(61.27,9.75) ; 62.19,29.97 62.19,30.05 ; v1(57.6,13.43) 57.14,12.97 ; 48.59,26.96 48.49,27.07 ; 48.49,27.07 48.49,27.3 ; 49.97,26.25 50.27,25.95 v1(50.3,25.95) 50.37,25.95 50.6,26.18 50.6,26.25 ; 49.97,26.25 50.6,26.25 ; 49.97,26.25 47.65,26.25 47.57,26.17 47.09,26.17 46.97,26.29 v1(46.91,26.29) 46.91,27.07 47.25,27.41 v1(47.81,27.41) ; 59.43,30.91 59.43,30.93 ; v1(46.38,12.05) 46.46,12.05 46.67,11.84 47.01,11.84 47.4,12.23 49.66,12.23 49.83,12.23 52.09,14.49 52.31,14.49 52.31,14.49 52.4,14.49 v1(52.49,14.39) ; v1(52.54,15.72) v1(53,16.18) ; 48.49,27.4 48.49,27.3 ; 50.6,26.25 50.91,26.25 51.13,26.03 ; v1(63.57,22.16) v1(64.03,21.7) ; 50.7,22.04 50.7,22.04 ; 52.08,23.54 52.14,23.48 ; 55.3,26.76 56.22,25.84
  TOP w0.127: v1(51.3,15.87) 51.35,15.82 51.35,15.57 50.24,14.46 48.03,14.46 v1(47.55,13.98) ; 63.57,10.21 64.03,9.75 ; 57.14,25.84 v1(57.6,26.3)